# Altium PCB PCB2.PcbDoc (part 2 of 2)
Units mm, origin at the board's own origin, x right, y up, seen from the top; angles counter-clockwise.
Board outline 50.42 x 37.08 mm, 4 copper layers (L1, L2, L3, L4), stack 0.603 mm thick; 104 components, 63 nets, 354 pads, 167 vias.
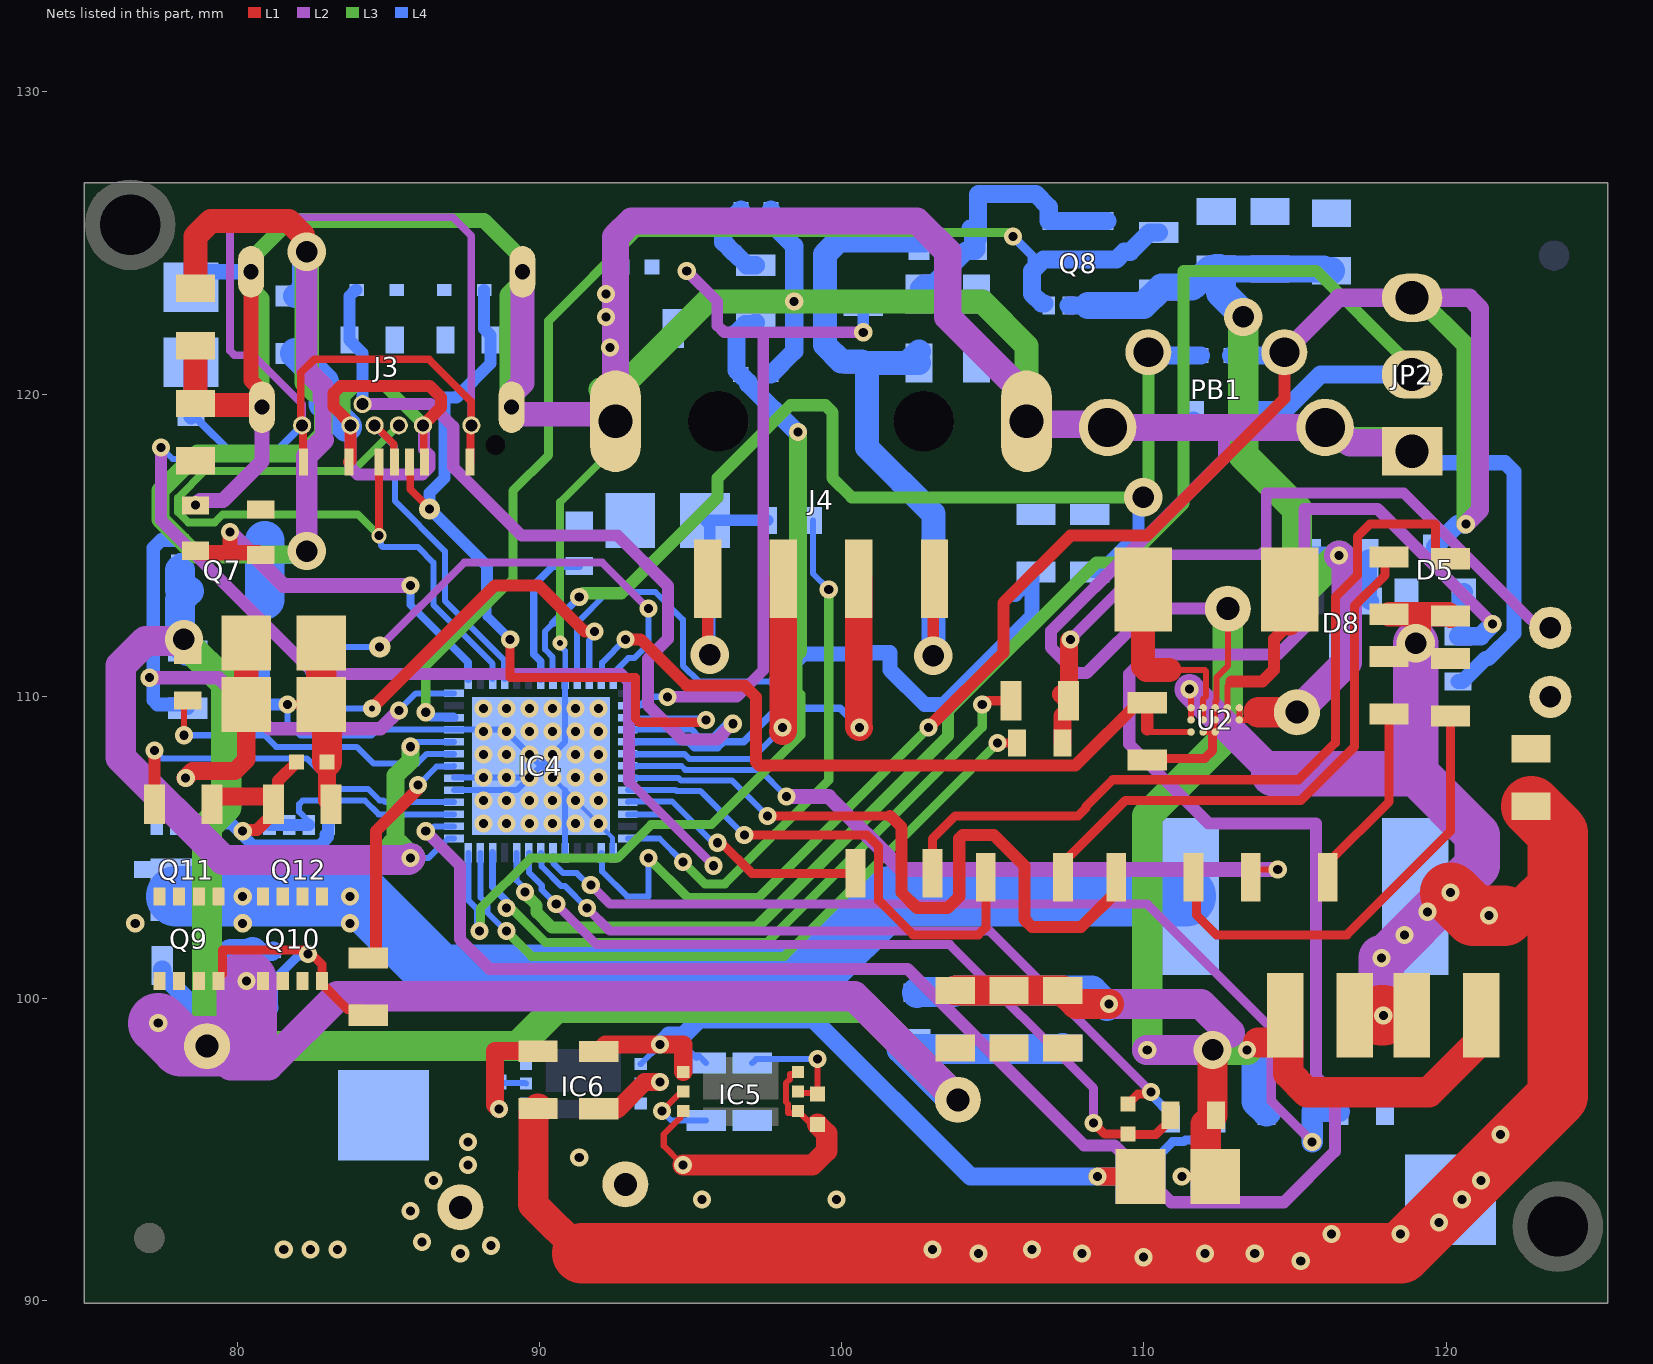
[diagram p4: the nets of this part, all layers, seen from the top]

## Part data (continued)
R70: library part ERJ-6GEYJ154V, "RES SMD 150K OHM 5% 1/8W 0805", Case/Package=0805, Case Code (Metric)=2012, Manufacturer 1=Panasonic, Max Operating Temperature=155°C, Max Power Dissipation=125mW, Min Operating Temperature=-55°C, Package Quantity=5000, Resistance=150kR, Supplier Part Number 1=P150KACT-ND, Temperature Coefficient=200ppm/°C, Tolerance=5%, Voltage Rating=150V, Case Code (Imperial)=0805, ComponentLink1Description=https://datasheet.ciiva.com/3882/41790015s9557575n1386-3882896.pdf?src-supplier=Arrow+Electronics, ComponentLink1URL=https://datasheet.ciiva.com/3882/41790015s9557575n1386-3882896.pdf?src-supplier=Arrow+Electronics, ComponentLink2Description=https://datasheet.ciiva.com/17207/aoa0000ce1-17207480.pdf?src-supplier=Avnet+Europe, ComponentLink2URL=https://datasheet.ciiva.com/17207/aoa0000ce1-17207480.pdf?src-supplier=Avnet+Europe, ComponentLink3Description=https://datasheet.ciiva.com/43460/1500035-43460137.pdf?src-supplier=Farnell, ComponentLink3URL=https://datasheet.ciiva.com/43460/1500035-43460137.pdf?src-supplier=Farnell, ComponentLink4Description=https://datasheet.ciiva.com/46373/1500035-46373995.pdf?src-supplier=Element14, ComponentLink4URL=https://datasheet.ciiva.com/46373/1500035-46373995.pdf?src-supplier=Element14, ComponentLink5Description=https://datasheet.ciiva.com/16781/70255313-16781804.pdf?src-supplier=Allied+Electronics, ComponentLink5URL=https://datasheet.ciiva.com/16781/70255313-16781804.pdf?src-supplier=Allied+Electronics, ComponentLink6Description=https://datasheet.ciiva.com/28691/1678796-28691981.pdf?src-supplier=Element14, ComponentLink6URL=https://datasheet.ciiva.com/28691/1678796-28691981.pdf?src-supplier=Element14, ComponentLink7Description=https://datasheet.ciiva.com/16516/aoa0000ce1-16516415.pdf?src-supplier=Avnet+Asia, ComponentLink7URL=https://datasheet.ciiva.com/16516/aoa0000ce1-16516415.pdf?src-supplier=Avnet+Asia, Composition="Thick Film", Contact Plating=Tin, Depth=1.25mm, Height=0.028inch, Lead Free="Lead Free", Length=2mm, Manufacturer Part Number 1=ERJ-6GEYJ154V, Military Standard=Not, Mount="Surface Mount", Number of Terminations=2, Packaging="Tape and Reel", Power Rating=125mW, Pricing 1="1=0.10000, 10=0.05200, 100=0.02120, 1000=0.00954, 2500=0.00828 (USD)", Radiation Hardening=No, REACH SVHC="No SVHC", RoHS=Yes, Stock 1=100014, Supplier 1=Digi-Key, Termination=SMD/SMT, Voltage Rating (DC)=150V, Width=0.049inch
R72 R73: library part RC0805JR-070RL, "RES SMD 0 OHM JUMPER 1/8W 0805", Case/Package=0805, Case Code (Metric)=2012, Manufacturer 1=Yageo, Max Operating Temperature=155°C, Min Operating Temperature=-55°C, Power Rating=125mW, Resistance=0mR, Supplier Part Number 1=311-0.0ARCT-ND, Temperature Coefficient=200ppm/°C, Tolerance=5%, Voltage Rating=150V, Case Code (Imperial)=0805, ComponentLink1Description=https://datasheet.ciiva.com/7941/1738694-7941861.pdf?src-supplier=Element14, ComponentLink1URL=https://datasheet.ciiva.com/7941/1738694-7941861.pdf?src-supplier=Element14, ComponentLink2Description=https://datasheet.ciiva.com/11819/0900766b8106beab-11819430.pdf?src-supplier=RSComponents, ComponentLink2URL=https://datasheet.ciiva.com/11819/0900766b8106beab-11819430.pdf?src-supplier=RSComponents, ComponentLink3Description=https://datasheet.ciiva.com/7941/1738694-7941862.pdf?src-supplier=Element14, ComponentLink3URL=https://datasheet.ciiva.com/7941/1738694-7941862.pdf?src-supplier=Element14, ComponentLink4Description=https://datasheet.ciiva.com/7941/1738694-7941863.pdf?src-supplier=Element14, ComponentLink4URL=https://datasheet.ciiva.com/7941/1738694-7941863.pdf?src-supplier=Element14, ComponentLink5Description=https://datasheet.ciiva.com/15190/getdatasheetpartid-330685-15190028.pdf?src-supplier=Verical, ComponentLink5URL=https://datasheet.ciiva.com/15190/getdatasheetpartid-330685-15190028.pdf?src-supplier=Verical, Composition="Thick Film", Contact Plating=Tin,Matte, Depth=1.25mm, Height=0.5mm, Lead Free="Lead Free", Length=2mm, Manufacturer Part Number 1=RC0805JR-070RL, Military Standard=Not, Number of Pins=2, Packaging="Tape and Reel", Pricing 1="1=0.10000, 10=0.03900, 25=0.02840, 50=0.02160, 100=0.01590, 250=0.01216, 500=0.00972, 1000=0.00716 (USD)", Radiation Hardening=No, REACH SVHC=Unknown, RoHS=Yes, Stock 1=14217042, Supplier 1=Digi-Key, Termination=SMD/SMT, Voltage Rating (DC)=150V, Width=1.25mm
T1: library part RL0503-5820-97-MS, "Thermistor, High Sensitivity, NTC, Res 10 Kilohms, Tol +/-2%, Radial, Disc, TC 15Sec.", Case/Package=Radial, Manufacturer 1="Amphenol Advanced Sensors", Max Operating Temperature=150°C, Min Operating Temperature=-50°C, Package Quantity=500, Resistance=10kR, Supplier Part Number 1=KC003T-ND, Tolerance=2%, Accuracy=1%, ComponentLink1Description=https://datasheet.ciiva.com/29856/aas-920-574a-thermometrics-ntc-type-ms-032114-web-29856981.pdf?src-supplier=Digi-Key, ComponentLink1URL=https://datasheet.ciiva.com/29856/aas-920-574a-thermometrics-ntc-type-ms-032114-web-29856981.pdf?src-supplier=Digi-Key, ComponentLink2Description=https://datasheet.ciiva.com/46652/70181330-46652421.pdf?src-supplier=Allied+Electronics, ComponentLink2URL=https://datasheet.ciiva.com/46652/70181330-46652421.pdf?src-supplier=Allied+Electronics, ComponentLink3Description=http://datasheet.octopart.com/RL0503-5820-97-MS-Amphenol-Advanced-Sensors-datasheet-32780836.pdf?src-supplier=Newark, ComponentLink3URL=http://datasheet.octopart.com/RL0503-5820-97-MS-Amphenol-Advanced-Sensors-datasheet-32780836.pdf?src-supplier=Newark, ComponentLink4Description=http://datasheet.octopart.com/RL0503-5820-97-MS-Amphenol-Advanced-Sensors-datasheet-11518288.pdf?src-supplier=Allied+Electronics, ComponentLink4URL=http://datasheet.octopart.com/RL0503-5820-97-MS-Amphenol-Advanced-Sensors-datasheet-11518288.pdf?src-supplier=Allied+Electronics, ComponentLink5Description=http://datasheet.octopart.com/RL0503-5820-97-MS-Amphenol-Advanced-Sensors-datasheet-28575.pdf?src-supplier=Farnell, ComponentLink5URL=http://datasheet.octopart.com/RL0503-5820-97-MS-Amphenol-Advanced-Sensors-datasheet-28575.pdf?src-supplier=Farnell, ComponentLink6Description=http://datasheet.octopart.com/RL0503-5820-97-MS-Amphenol-Advanced-Sensors-datasheet-556659.pdf?src-supplier=Future+Electronics, ComponentLink6URL=http://datasheet.octopart.com/RL0503-5820-97-MS-Amphenol-Advanced-Sensors-datasheet-556659.pdf?src-supplier=Future+Electronics, Diameter=2.41mm, Lead Free="Lead Free", Lead Pitch=5.08mm, Length=28.7mm, Manufacturer Part Number 1=RL0503-5820-97-MS, Mount="Free Hanging", Number of Pins=2, Packaging=Bulk, Pricing 1="1=2.02000, 5=1.91400, 10=1.64100, 25=1.31280, 50=1.20340, 100=1.09400, 500=0.95726, 1000=0.84785, 5000=0.79315 (USD)", REACH SVHC="No SVHC", Stock 1=40880, Supplier 1=Digi-Key, Termination=Radial, Width=6.35mm
U2: library part TPS63811YFFR, "Switching mode BUCK/BOOST IC", Manufacturer 1="Texas Instruments", Supplier Part Number 1=296-TPS63811YFFRCT-ND, Manufacturer Part Number 1=TPS63811YFFR, Pricing 1="1=2.73000, 10=2.45100, 25=2.31760, 100=1.90550, 250=1.70980, 500=1.64800, 1000=1.36990 (USD)", RoHS=No, Stock 1=680, Supplier 1=Digi-Key

## Free pads (board coordinates)
  round 1.524 hole 0.762: 3(87.376,93.091) 5(115.062,109.474) 8(78.994,98.425) 9(103.841,96.647) 12(112.776,112.903) 15(92.837,93.853)

## Via types
v1: diameter 0.6, hole 0.3, L1 to L4, tented both sides, 153 vias
v2: diameter 1.27, hole 0.711, L1 to L4, tented both sides, 8 vias
v3: diameter 0.7, hole 0.3, L1 to L4, tented both sides, 2 vias
v4: diameter 0.6, hole 0.2, L1 to L4, tented both sides, 1 vias
v5: diameter 0.5, hole 0.2, L1 to L4, tented both sides, 1 vias
v6: diameter 1.27/1.27/1.27/1.27 (per signal layer), hole 0.711, L1 to L4, tented both sides, 1 vias
v7: diameter 0.5, hole 0.3, L1 to L4, tented both sides, 1 vias

## Nets (pads, with @x,y where several pads share a name; then routed paths per layer and width w, separated by ;. In a path a pad name is that pad's centre, name@x,y a point inside that pad or via, vN(x,y) a via of type N, cw(c..) or ccw(c..) an arc to the next point about the centre after c; other vN are vias at no path point)
2nd_BOOST: C49.2 C50.2 C51.2 pad.5 Q8.S R60.2 R70.2 U2.VOUT | length 32.6
  L1 w0.2: U2.VOUT@113.157,109.62 U2.VOUT@113.157,109.22 113.538,109.22 113.792,109.474 ; pad.5@114.935,109.474 pad.5@115.062,109.474 pad.5@115.094,109.474
  L1 w1: 113.792,109.474 pad.5@114.935,109.474
  L2 w1: pad.5@115.062,109.474 116.713,111.125 116.713,114.41 v1(116.459,114.664)
  L3 w1: v2(113.284,122.555) v2(113.284,122.555) 113.283,117.984 115.062,116.205 115.062,113.267 v1(116.459,114.664)
  L4 w0.6: Q8.S@107.498,122.933 Q8.S@108.148,122.933 Q8.S@108.151,122.936 ; R70.2@115.509,114.554 115.509,114.614 115.559,114.664 v1(116.459,114.664)
  L4 w0.9: Q8.S@108.151,122.936 109.982,122.936 R60.2@110.49,123.444 110.59,123.544 111.594,123.544 112.195,124.145 C49.2@112.395,124.145 ; C49.2@112.495,124.145 C50.2@114.173,124.145 115.944,124.145 116.005,124.084 C51.2@116.205,124.084
  L4 w1: C49.2@112.395,124.145 112.495,124.145 112.545,124.095 112.545,123.367 113.284,122.628 v2(113.284,122.555)
B+: B+?.1 C52.2 C64.2 C65.2 D5.2 D8.3 L8.2 R40.2 R41.2 R42.2 R43.2 R53.2 R56.2 R61.2 U2.VIN | length 81.9
  L1 w0.2: v1(111.506,110.236) 111.557,110.185 U2.VIN@111.557,109.62 U2.VIN@111.557,109.22
  L1 w0.8: R42.2@118.11,112.715 119.095,112.715 ; v6@119.095,111.76 119.095,112.715 ; R43.2@120.142,112.654 120.081,112.715 119.095,112.715 ; 121.92,102.743 123.698,104.521
  L1 w1: R61.2@89.948,96.358 89.798,96.208 89.798,94.208 89.789,94.199 89.789,93.183 91.405,91.567
  L1 w2: 91.405,91.567 102.997,91.567 v1(104.521,91.567) 106.299,91.567 v1(107.95,91.567) 109.982,91.567 v1(112.014,91.567) v1(113.665,91.567) 115.189,91.567 116.205,91.567 118.491,91.567 119.634,92.71 121.031,94.107 122.111,95.186 123.698,96.774 123.698,104.521 123.698,105.476 C52.2@122.809,106.365 ; v1@117.856,99.441 v1(117.919,99.441) ; v1(120.142,103.505) 120.904,102.743 v1(121.412,102.743) 121.92,102.743
  L2 w1: v1(111.506,110.236) 114.3,107.442
  L2 w1.5: 114.3,107.442 118.999,107.442 ; v1(117.919,99.441) 117.856,99.504 v1(117.856,101.346) 117.983,101.346 v1(120.142,103.505) 121.031,104.394 121.031,105.41 118.999,107.442 ; v6(118.999,111.76) 118.999,107.442
  other v1: 115.189,91.313 109.982,91.44 102.997,91.694 106.299,91.694 116.205,92.202 118.491,92.202 119.761,92.583 120.523,93.345 121.158,93.98 121.793,95.504 118.618,102.108 119.38,102.87
B-: B-?.1 C41.1 C46.1 IC5.S1 IC5.TST IC5.VSS IC6.S1 IC6.TST IC6.VSS pad.3 pad.15 | length 10.8
  L1 w0.2: v1@94.688,94.542 94.108,95.122 94.108,95.503 94.655,96.049 94.655,96.174 IC5.TST@94.755,96.274 ; IC5.S1@98.555,97.574 98.479,97.498 98.28,97.498 98.28,97.324 98.272,97.324 98.155,97.206 98.155,96.575 98.222,96.508 98.222,96.218 98.499,96.218 IC5.VSS@98.555,96.274 98.937,95.891
  L1 w0.7: v1(94.742,94.488) 99.036,94.488 99.5,94.952 99.5,95.532 C41.1@99.195,95.837
  other v1: 87.376,91.567 81.534,91.694 82.423,91.694 83.312,91.694 88.392,91.821 86.106,91.948 85.725,92.964 95.377,93.345 99.822,93.345 86.487,93.98 87.63,94.488 91.313,94.742 87.63,95.25
BOOST_EN: IC4.12 R69.2 U2.EN | length 25.2
  L1 w0.2: 110.109,108.905 110.194,108.82 U2.EN@111.557,108.82
  L1 w0.4: v1(92.837,111.887) 93.345,111.887 94.869,110.363 96.774,110.363 97.155,109.982 97.155,107.823 97.27,107.708 107.727,107.708 107.777,107.758 ; 107.778,107.758 109.894,109.874 110.024,109.874 R69.2@110.109,109.789 110.109,108.905
  L4 w0.2: IC4.12@92.043,110.571 92.068,110.596 92.068,111.118 v1(92.837,111.887)
CC1A: C39.1 D6.1 IC4.16 J3.A5 | length 27.5
  L1 w0.254: J3.A5@85.691,117.759 85.714,117.736 85.714,116.851 v3(86.36,116.205)
  L1 w0.3: v1(89.027,111.887) 89.027,110.617 93.169,110.617 93.169,109.269 93.296,109.142 95.504,109.142 v1(95.504,109.22)
  L4 w0.2: IC4.16@92.918,109.296 92.943,109.271 95.453,109.271 v1(95.504,109.22)
  L4 w0.3: 88.265,113.411 88.265,112.649 v1(89.027,111.887)
  L4 w0.4: D6.1@88.163,123.444 88.163,122.16 88.38,121.943 C39.1@88.38,121.793 88.38,121.019 87.249,119.888 86.846,119.888 86.846,117.221 86.36,116.735 v3(86.36,116.205) 88.265,114.3 88.265,113.411
CC2A: C42.2 D7.1 IC4.17 J3.B5 | length 28.9
  L2 w0.4: J3.B5@84.141,119.669 86.395,119.669 87.141,118.923 87.141,117.583 89.408,115.316 92.583,115.316 94.249,113.65 94.249,111.902 93.584,111.237 93.584,109.713 94.727,108.57 95.87,108.57 v1(96.393,109.093)
  L4 w0.2: IC4.17@92.918,108.896 95.05,108.896 95.276,108.67 95.732,108.67 96.155,109.093 v1(96.393,109.093)
  L4 w0.4: D7.1@83.947,123.444 83.907,123.444 83.705,123.242 C42.2@83.705,121.793 84.141,121.357 J3.B5@84.141,119.669
DN_C: IC4.3 J3.A7 J3.B7 | length 25.4
  L1 w0.254: v7(84.687,115.316) 84.687,117.755 J3.A7@84.691,117.759
  L3 w0.254: v7(84.687,115.316) 83.983,116.02 79.517,116.02 79.252,115.755 78.374,115.755 78.036,116.093 78.036,116.571 78.924,117.459 83.831,117.459 J3.B7@85.341,118.969
  L4 w0.2: v7(84.687,115.316) 84.745,115.259 84.745,114.995 84.804,114.935 85.979,114.935 86.487,114.427 86.487,113.03 88.443,111.074 IC4.3@88.443,110.571
DP_C: IC4.4 J3.A6 J3.B6 | length 11.7
  L1 w0.254: J3.B6@84.541,118.969 85.168,118.342 85.168,117.782 J3.A6@85.191,117.759
  L4 w0.2: J3.B6@84.541,118.969 84.541,118.913 85.217,118.237 85.217,116.459 86.868,114.808 86.868,113.157 88.829,111.196 88.829,110.585 IC4.4@88.843,110.571
DVDD: C35.1 D5.3 IC4.28 JP2.3 PB1.1 | length 60.9
  L1 w0.4: v1(102.87,108.966) 105.346,111.442 105.346,113.093 107.569,115.316 110.109,115.316 114.645,119.852 PB1.1@114.645,121.387
  L2 w0.6: PB1.1@114.645,121.387 116.448,123.19 JP2.3@118.872,123.19 120.772,123.19 121.123,122.839 121.123,116.17 v1(120.65,115.697)
  L3 w0.3: v1(93.599,104.648) 94.903,103.344 97.248,103.344 v1(102.87,108.966)
  L3 w0.6: JP2.3@118.872,123.19 119.072,123.19 120.65,121.612 v1(120.65,115.697)
  L4 w0.2: IC4.28@92.043,104.821 92.068,104.796 92.068,104.205 92.895,103.378 93.599,103.378 v1(93.599,104.648)
  L4 w0.6: C35.1@112.887,121.285 114.543,121.285 PB1.1@114.645,121.387 ; D5.3@119.634,114.898 119.634,114.948 120.383,115.697 v1(120.65,115.697)
GATE1: IC4.52 Q7.G R50.1 | length 18.6
  L2 w0.45: v1(77.089,110.617) 79.375,110.617 81.066,108.926 84.735,108.926 v1(85.344,109.535)
  L4 w0.2: v1(85.344,109.535) 85.905,110.096 IC4.52@87.168,110.096
  L4 w0.45: Q7.G@78.102,115.148 78.077,115.173 77.48,115.173 77.216,114.909 77.216,109.87 77.355,109.731 78.234,109.731 R50.1@78.359,109.606
GATE3: IC4.50 Q8.G R60.1 | length 39.7
  L3 w0.3: v1(86.233,109.474) 86.233,110.998 89.116,113.881 89.116,116.802 90.297,117.983 90.297,122.428 93.218,125.349 105.537,125.349 v1(105.664,125.222)
  L4 w0.3: v1(86.233,109.474) 86.393,109.314 87.15,109.314 IC4.50@87.168,109.296 ; v1(105.664,125.222) 106.299,124.587 106.299,124.079
  L4 w0.6: Q8.G@106.7,122.998 106.618,122.998 106.299,123.317 106.299,124.079 106.68,124.46 109.093,124.46 109.347,124.714 109.56,124.714 110.19,125.344 R60.1@110.49,125.344
GND: C34.1 C36.1 C37.1 C38.1 C39.2 C40.1 C42.1 C43.1 C44.1 C45.1 C48.1 C49.1 C50.1 C51.1 C52.1 C53.1 C54.1 C55.1 C57.1 C58.1 C59.1 C60.1 C61.1 C62.1 C64.1 C65.1 C66.1 D6.2 D7.2 IC4.9 IC4.27 IC4.31 IC4.44 IC4.45 IC4.49 IC4.53 J3.S1 J3.S2 J3.S3 J3.S4 J4.S1 J4.S2 JP2.1 pad.12 PB1.3 PB1.4 R39.2 R44.2 R45.2 R46.1 R47.1 R52.2 R58.2 R63.1 R64.1 R66.2 R67.1 R69.1 R74.1 R75.1 R76.1 T1.1 U2.AGND U2.GND U2.VSEL | length 244.9
  L1 w0.2: R69.1@110.109,107.889 R69.1@110.17,107.95 ; U2.VSEL@111.957,108.82 112.268,108.82 U2.AGND@112.357,108.82 U2.GND@112.357,109.22 U2.GND@112.357,109.62 112.367,109.63 112.367,109.824 112.406,109.863 112.406,110.629 112.776,110.999 pad.12@112.776,112.903
  L1 w0.3: v1(81.661,109.728) R76.1@82.774,109.728 ; R69.1@110.17,107.95 112.014,107.95 112.268,108.204 U2.AGND@112.268,108.82 ; v1(111.252,94.107) R64.1@112.365,94.107
  L1 w0.5: J3.S4@80.451,124.049 80.451,120.449 80.811,120.089 80.811,119.622 J3.S2@80.811,119.569
  L1 w0.6: C66.1@82.961,107.823 82.961,106.561 R74.1@83.096,106.426
  L1 w0.8: C37.1@78.613,121.605 C38.1@78.613,119.695 78.663,119.645 80.788,119.645 J3.S2@80.811,119.622
  L1 w1: R76.1@82.774,109.95 R75.1@82.774,111.76 ; C66.1@82.961,107.823 R76.1@82.961,109.763 ; C60.1@103.759,100.264 C61.1@105.537,100.264 C62.1@107.315,100.264 107.757,99.822 v1(108.839,99.822) ; 112.045,95.842 112.045,94.427 R64.1@112.365,94.107 ; R66.2@112.268,96.139 v2(112.268,98.298) ; 113.774,98.541 114.574,98.541 C65.1@114.674,98.641 ; C65.1@114.774,98.541 114.774,97.521 115.394,96.901 119.425,96.901 121.165,98.641 C64.1@121.165,99.441
  L2 w0.4: 112.649,118.897 112.649,117.86 109.797,115.008 109.771,115.008 106.919,112.156 106.919,111.618 107.769,110.768 108.101,110.768 110.236,112.903 pad.12@112.776,112.903
  L2 w0.5: v1(78.613,116.332) 78.76,116.479 79.522,116.479 80.811,117.768 J3.S2@80.811,119.569
  L2 w0.8: J3.S1@89.071,119.569 89.071,120.008 89.431,120.368 J3.S3@89.431,124.049 ; J3.S1@89.094,119.337 J4.S1@92.198,119.337
  L2 w0.9: J4.S1@92.514,119.105 92.514,125.203 93.041,125.73 102.489,125.73 103.505,124.714 103.505,122.554 106.114,119.945 J4.S2@106.114,119.105 106.218,119.001 108.691,119.001 PB1.3@108.795,118.897 112.649,118.897 PB1.4@115.995,118.897 116.32,118.897 116.822,118.395 118.587,118.395 JP2.1@118.872,118.11
  L2 w1: v1(108.839,99.822) 111.887,99.822 112.84,98.87 ; v1(110.109,98.298) v2(112.268,98.298)
  L3 w0.254: v5(90.678,111.76) 90.678,116.429 92.514,118.265 J4.S1@92.514,119.105
  L3 w0.5: J3.S2@80.811,119.569 80.811,123.169 80.451,123.529 J3.S4@80.451,124.049 80.451,124.474 81.726,125.749 88.156,125.749 89.431,124.474 J3.S3@89.431,124.049
  L3 w0.8: J3.S1@89.094,119.337 89.071,119.36 J3.S1@89.071,119.569 89.071,123.25 89.431,123.61 J3.S3@89.431,124.049 ; J4.S1@92.015,120.152 J4.S1@92.514,119.653 ; J4.S1@92.198,119.337 J4.S1@92.514,119.653 ; J4.S2@106.114,119.105 106.114,121.597 104.648,123.063 v1(98.425,123.063) 95.529,123.063 92.514,120.048 J4.S1@92.514,119.653
  L3 w0.9: PB1.4@115.995,118.897 116.266,118.897 116.703,118.46 118.522,118.46 JP2.1@118.872,118.11
  L3 w1: v1(110.109,98.298) 110.109,106.045 112.776,108.712 pad.12@112.776,112.903 ; v2(112.268,98.298) v1(113.411,98.298)
  L4 w0.15: IC4.53@90.043,107.696 v1(90.424,107.315) 90.843,106.896 v1(91.186,106.553) v1(91.948,105.791) 92.413,105.326 IC4.27@92.413,104.821
  L4 w0.18: v5(90.678,111.76) 90.678,111.673 90.843,111.508 IC4.9@90.843,110.571
  L4 w0.2: v1(81.661,109.728) 81.664,109.725 81.664,109.128 82.091,108.701 84.432,108.701 84.627,108.896 IC4.49@87.168,108.896 88.843,108.896 v1(88.9,108.839) v1(89.662,108.077) IC4.53@90.043,107.696 ; IC4.44@87.168,106.896 89.243,106.896 v1(89.662,107.315) ; IC4.45@87.168,107.315 v1(88.138,107.315) v1(88.9,107.315) v1(89.662,107.315) ; IC4.31@90.843,104.821 IC4.53@90.843,106.896 ; IC4.9@90.843,110.571 90.843,108.496 v1(90.424,108.077) IC4.53@90.043,107.696 ; v1(89.662,107.315) IC4.53@90.043,107.696
  L4 w0.4: R46.1@80.645,109.601 80.678,109.634 80.772,109.728 v1(81.661,109.728)
  L4 w0.5: R52.2@78.464,123.541 78.972,124.049 J3.S4@80.451,124.049 ; JP2.1@118.872,118.11 119.253,117.729 121.946,117.729 122.239,117.436 122.239,112.081 121.405,111.247 121.303,111.247 120.546,110.49 C40.1@120.396,110.49
  L4 w0.6: C53.1@97.655,120.65 98.425,121.42 v1(98.425,123.063) 98.425,124.904 97.663,125.666 C54.1@97.663,126.111 ; PB1.3@108.795,118.897 108.909,119.011 111.583,119.011 111.633,119.062 R39.2@111.633,119.126
  L4 w0.8: R46.1@80.678,109.634 80.678,111.346 R47.1@80.711,111.379
  L4 w1: C55.1@102.489,100.191 102.512,100.214 103.709,100.214 C59.1@103.759,100.264 C58.1@105.537,100.264 C57.1@107.315,100.264 108.27,100.264 v1@108.775,99.758 ; v1(113.411,98.298) 113.665,98.298 113.734,98.229 113.734,96.59 C43.1@114.058,96.266
  other v1: 88.138,105.791 88.9,105.791 89.662,105.791 90.424,105.791 91.186,105.791 88.138,106.553 88.9,106.553 89.662,106.553 90.424,106.553 91.948,106.553 91.186,107.315 91.948,107.315 88.138,108.077 88.9,108.077 91.186,108.077 91.948,108.077 88.138,108.839 89.662,108.839 90.424,108.839 91.186,108.839 91.948,108.839 88.138,109.601 88.9,109.601 89.662,109.601 90.424,109.601 91.186,109.601 91.948,109.601 92.329,121.539 92.202,122.555 92.202,123.317
GND_C: J3.A1 J3.A12 J3.B1 J3.B12 R49.1 R52.1 | length 40.5
  L1 w0.254: J3.A12@82.191,117.759 82.168,117.782 82.168,118.942 J3.B1@82.141,118.969 82.1,119.01 82.1,120.708 82.55,121.158 86.338,121.158 87.741,119.755 J3.B12@87.741,118.969 87.714,118.942 87.714,117.782 J3.A1@87.691,117.759
  L2 w0.254: J3.B1@82.141,118.969 82.141,119.662 80.518,121.285 79.905,121.285 79.756,121.434 79.756,125.603 80.01,125.857 87.122,125.857 87.741,125.238 J3.B12@87.741,118.969
  L4 w0.254: R49.1@78.464,119.241 78.614,119.241 79.872,117.983 81.155,117.983 J3.B1@82.141,118.969
  L4 w0.5: R49.1@78.464,119.241 R52.1@78.464,121.061 R52.1@78.482,121.043
HDRV: IC4.46 R72.1 | length 7.9
  L1 w0.4: R72.1@84.328,101.346 84.582,101.6 84.582,105.537 85.979,106.934 v1(85.979,107.061)
  L4 w0.2: v1(85.979,107.061) 86.589,107.671 87.143,107.671 IC4.46@87.168,107.696
ISEN: IC4.42 Q11.S Q12.S R75.2 R76.2 | length 13.6
  L1 w0.6: v1(78.288,107.297) 78.518,107.526 79.913,107.526 80.294,107.907 R76.2@80.294,109.728
  L1 w0.8: R76.2@80.294,109.728 R75.2@80.294,111.76
  L4 w0.2: Q12.S@82.363,105.737 82.363,105.857 82.042,106.178 82.042,106.436 82.159,106.553 84.214,106.553 84.671,106.096 IC4.42@87.168,106.096
  L4 w0.4: Q12.S@81.063,105.737 Q12.S@81.713,105.737 Q12.S@82.363,105.737
LDRV: IC4.43 R73.1 | length 12.4
  L1 w0.4: R73.1@77.254,106.426 v1(77.254,108.204)
  L4 w0.2: v1(77.254,108.204) 77.508,107.95 82.296,107.95 83.312,106.934 84.328,106.934 84.709,106.553 84.836,106.553 84.893,106.496 IC4.43@87.168,106.496
NetC34_2: C34.2 IC4.7 | length 5
  L4 w0.25: IC4.7@90.043,110.571 90.043,111.158 89.803,111.398 89.803,113.679 90.436,114.312 C34.2@91.313,114.312
NetC35_2: C35.2 IC4.8 PB1.2 R45.1 | length 37.5
  L3 w0.4: v1(91.313,113.284) 91.44,113.411 92.71,113.411 95.885,116.586 95.885,117.221 98.298,119.634 99.461,119.634 99.695,119.4 99.695,117.221 100.33,116.586 v2(109.982,116.586) 110.145,116.749 PB1.2@110.145,121.387
  L4 w0.2: IC4.8@90.443,110.571 90.432,110.582 90.432,111.299 90.178,111.553 90.178,112.149 90.443,112.414
  L4 w0.25: 90.443,112.414 v1(91.313,113.284)
  L4 w0.4: R45.1@108.204,114.112 108.504,114.112 109.816,115.424 109.816,116.42 v2(109.982,116.586)
  L4 w0.6: PB1.2@110.145,121.387 110.247,121.285 C35.2@111.887,121.285
NetC37_2: C37.2 L5.2 Q7.D | length 40.2
  L1 w0.8: C37.2@78.613,123.505 78.613,125.222 79.121,125.73 81.7,125.73 v2@82.169,125.261
  L2 w0.55: 82.841,118.491 82.841,119.851
  L2 w0.7: v2(82.296,114.808) 82.296,117.946 82.841,118.491 ; v2(82.296,124.714) 82.296,120.775 82.841,120.23 82.841,119.851
  L3 w0.6: v2(82.296,114.808) 82.181,114.693 78.62,114.693 77.459,115.854 77.459,116.81 78.685,118.036 82.198,118.036 82.841,118.679 82.841,119.851 82.55,120.142
  L3 w0.8: v2(82.296,124.714) 82.296,120.396 82.55,120.142
  L4 w0.6: 80.69,113.41 Q7.D@80.902,113.198 ; Q7.D@81.09,114.31 81.459,114.68 82.168,114.68 v2(82.296,114.808)
  L4 w0.8: L5.2@81.915,123.251 82.115,123.251 82.165,123.301 82.165,123.501 82.206,123.542 82.206,124.624 v2(82.296,124.714)
  L4 w1.3: Q7.D@80.902,113.198 Q7.D@80.902,113.848 Q7.D@80.902,114.498 Q7.D@80.902,115.148
NetC40_2: C40.2 D5.1 IC4.41 | length 80
  L2 w0.4: v1(86.233,105.537) 87.361,104.409 87.361,101.966 88.343,100.984 102.171,100.984 108.02,95.135 109.022,95.135 110.9,93.257 114.632,93.257 116.317,94.942 116.317,96.789 115.697,97.409 115.697,105.791 112.141,105.791 109.513,108.419 109.513,110.744 110.148,111.379 114.427,111.379 115.316,112.268 115.316,116.205 117.729,116.205 v1(121.539,112.395)
  L4 w0.2: v1(86.233,105.537) 86.341,105.537 86.5,105.696 IC4.41@87.168,105.696
  L4 w0.6: C40.2@120.396,111.99 C40.2@120.49,111.99 ; D5.1@120.584,113.448 120.49,113.354 C40.2@120.49,111.99 ; v1(121.539,112.395) 121.158,112.014 121.158,111.99 C40.2@120.49,111.99
NetC41_2: C41.2 IC5.VCC R53.1 | length 4
  L1 w0.2: IC5.VCC@98.555,96.924 98.598,96.88 99.151,96.88 C41.2@99.195,96.837 v1(99.195,97.996)
  L4 w0.2: R53.1@97.036,97.864 97.168,97.996 v1(99.195,97.996)
NetC43_2: C43.2 IC4.32 R56.1 | length 32.5
  L2 w0.3: v1(91.694,103.759) 92.329,103.124 110.109,103.124 114.211,99.022 114.211,96.609 v1(115.567,95.253)
  L4 w0.2: IC4.32@90.443,104.717 90.468,104.692 90.468,104.463 90.782,104.149 91.236,104.149 91.626,103.759 v1(91.694,103.759)
  L4 w0.7: v1@115.57,95.25 v1(115.567,95.253) 115.567,96.257 C43.2@115.558,96.266 R56.1@116.471,96.266
NetC45_2: C45.2 L6.2 Q8.D | length 9.8
  L4 w0.6: C45.2@102.555,123.317 102.555,123.517 102.705,123.667 103.027,123.667 104.105,124.745 104.405,124.745 104.455,124.795 L6.2@104.455,125.095 104.505,125.145 104.505,126.603 104.521,126.619 106.426,126.619 106.848,126.197 Q8.D@106.848,125.733 Q8.D@107.498,125.733 Q8.D@108.148,125.733 Q8.D@108.798,125.733 ; L6.2@104.267,125.476 104.348,125.395 L6.2@104.348,125.095
NetC46_2: C46.2 IC6.VCC R61.1 | length 5.2
  L1 w0.6: v1(88.654,96.345) 88.519,96.48 88.519,98.258 R61.1@89.948,98.258
  L4 w0.2: v1(88.654,96.345) C46.2@88.654,97.228 ; C46.2@88.654,97.234 C46.2@88.654,97.228 ; IC6.VCC@89.548,97.183 89.522,97.208 88.673,97.208 C46.2@88.654,97.228
NetC47_1: C47.1 IC4.34 R66.1 | length 26.6
  L1 w0.3: v1(108.331,95.885) 108.704,95.512 C47.1@109.474,95.512 109.482,95.504 110.398,95.504 110.883,95.989 R66.1@110.883,96.139
  L2 w0.3: v1(90.551,103.124) 91.89,101.785 103.574,101.785 108.331,97.028 v1(108.331,95.885)
  L4 w0.2: IC4.34@89.643,104.821 89.643,104.175 90.071,103.747 90.071,103.604 v1(90.551,103.124)
NetC47_2: C47.2 IC4.33 R62.1 | length 25.8
  L1 w0.3: C47.2@109.474,96.512 109.806,96.844 110.179,96.844 v1(110.236,96.901)
  L2 w0.3: v1(91.567,102.997) 92.329,102.235 104.902,102.235 v1(110.236,96.901)
  L4 w0.2: IC4.33@90.043,104.821 90.068,104.796 90.068,104.368 90.715,103.721 90.843,103.721 v1(91.567,102.997)
  L4 w0.3: v1(110.236,96.901) 110.236,96.821 110.895,96.162 R62.1@110.895,96.012
NetC48_2: C48.2 IC4.15 R65.1 R67.2 | length 24.2
  L2 w0.381: v1(94.234,109.982) 96.52,109.982 97.409,110.871 97.409,122.047 ; v1(94.869,124.079) 95.885,123.063 95.885,122.27 96.108,122.047 97.409,122.047 ; v1(100.711,122.047) 97.409,122.047
  L4 w0.21: IC4.15@92.918,109.696 93.329,109.696 93.615,109.982 v1(94.234,109.982)
  L4 w0.381: v1(100.711,122.047) R65.1@100.711,122.936
NetC53_2: C53.2 IC4.39 R68.1 | length 31.5
  L3 w0.3: v1(88.011,102.235) 88.039,102.263 88.039,102.985 89.702,104.648 92.583,104.648 93.691,105.756 95.683,105.756 98.644,108.717 98.644,110.066 98.552,110.158 98.552,111.506
  L3 w0.6: 98.552,111.506 v1(98.552,118.745)
  L4 w0.2: IC4.39@87.643,104.821 87.643,103.254 87.926,102.971 87.926,102.32 v1(88.011,102.235)
  L4 w0.6: R68.1@97.155,122.367 97.105,122.317 96.805,122.317 96.52,122.032 96.52,120.785 C53.2@96.655,120.65 96.905,120.4 96.905,120.334 98.494,118.745 v1(98.552,118.745)
NetC54_2: C54.2 R68.2 | length 2.7
  L4 w0.6: C54.2@96.663,126.111 96.078,125.526 96.078,125.029 96.429,124.678 96.444,124.678 96.855,124.267 R68.2@97.155,124.267
NetC56_1: C56.1 IC4.47 | length 10.7
  L1 w0.2: v1(78.232,108.712) 78.232,109.74 C56.1@78.359,109.867
  L4 w0.2: v1(78.232,108.712) 80.899,108.712 81.28,108.331 83.947,108.331 84.497,107.781 85.953,107.781 86.268,108.096 IC4.47@87.168,108.096
NetC63_1: C63.1 Q9.G Q10.G R71.2 R72.2 | length 13.8
  L1 w0.3: Q9.G@79.372,100.581 79.372,100.681 79.502,100.811 79.502,101.6 v1@82.323,101.6 ; v1@82.392,101.531 82.801,101.122 Q10.G@82.801,100.581 82.801,100.481 83.636,99.646 84.128,99.646 R72.2@84.328,99.446
  L4 w0.3: R71.2@77.513,100.96 R71.2@77.513,101.092 ; 81.064,99.695 81.191,99.822 C63.1@81.191,100.592 82.015,101.416 82.277,101.416 v1(82.334,101.473)
  L4 w0.6: R71.2@77.513,100.96 77.513,100.792 78.61,99.695 81.064,99.695
NetC66_2: C66.2 Q11.G Q12.G R73.2 R74.2 | length 10.4
  L1 w0.4: v1(80.175,105.537) 80.213,105.575 80.645,105.575 81.196,106.126 81.196,106.68 81.346,106.576 81.346,107.208 C66.2@81.961,107.823
  L1 w0.6: R73.2@79.154,106.68 R74.2@81.196,106.68
  L4 w0.4: Q11.G@79.277,105.737 79.277,105.617 79.451,105.791 79.794,105.791 80.528,105.057 82.718,105.057 82.923,105.262 82.923,105.422 83.003,105.342 83.003,105.727 Q12.G@83.013,105.737
NetD8_2: D8.2 R70.1 | length 1.4
  L4 w0.6: R70.1@117.409,114.554 117.409,113.223 D8.2@117.475,113.157
NetIC4_10: IC4.10 R44.1 | length 24.2
  L4 w0.2: IC4.10@91.243,110.571 91.243,112.436 92.26,113.453 93.827,113.453 94.742,112.538 94.742,111.016 95.264,110.494 97.809,110.494
  L4 w0.5: 97.809,110.494 98.714,111.399 100.711,111.399 100.755,111.442 101.6,111.442 101.6,110.871 102.743,109.728 103.378,109.728 106.299,112.649 106.299,113.939 105.739,113.379 105.693,113.379
NetIC4_11: IC4.11 R46.2 | length 13.2
  L1 w0.4: v4(84.455,109.601) 88.519,113.665 89.974,113.665 91.498,112.141 v1(91.821,112.141)
  L4 w0.2: R46.2@82.545,109.601 v4(84.455,109.601) ; IC4.11@91.643,110.571 91.643,111.855 91.821,112.033 v1(91.821,112.141)
NetIC4_13: IC4.13 R47.2 | length 15.8
  L2 w0.254: v3(84.709,111.633) 87.503,114.427 92.075,114.427 v1(93.599,112.903)
  L4 w0.2: R47.2@82.611,111.379 82.611,111.383 82.861,111.633 v3(84.709,111.633) ; IC4.13@92.443,110.571 92.443,110.771 92.933,111.261 93.133,111.261 93.599,111.727 v1(93.599,112.903)
NetIC4_18: IC4.18 J4.2 | length 13.5
  L1 w0.9: J4.2@100.564,113.885 100.564,108.986 v1(100.584,108.966)
  L4 w0.25: IC4.18@92.918,108.496 94.92,108.496 95.121,108.295 95.887,108.295 96.088,108.496 96.761,108.496 97.866,109.601 99.949,109.601 v1(100.584,108.966)
NetIC4_19: IC4.19 J4.3 | length 10.7
  L1 w0.9: v1@98.044,108.839 98.064,108.859 J4.3@98.064,113.885
  L4 w0.2: IC4.19@92.918,108.096 92.931,108.083 94.803,108.083 94.966,107.92 96.998,107.92 v1(98.044,108.966)
NetIC4_20: IC4.20 LED5.1 | length 23.9
  L1 w0.2: LED5.1@113.533,104.013 113.533,104.042 113.758,104.267 v1(114.427,104.267)
  L2 w0.5: v1(98.171,106.68) 99.568,106.68 101.981,104.267 v1(114.427,104.267)
  L4 w0.2: IC4.20@92.918,107.696 94.695,107.696 94.821,107.57 97.281,107.57 v1(98.171,106.68)
NetIC4_21: IC4.21 LED6.1 | length 24.6
  L1 w0.3: v1(97.536,106.045) 101.6,106.045
  L1 w0.4: 101.6,106.045 101.981,105.664 101.981,103.505 102.489,102.997 103.505,102.997 103.886,103.378 103.886,105.293 104.003,105.41 105.029,105.41 106.045,104.394 106.045,102.616 106.299,102.362 107.912,102.362 109.088,103.538 LED6.1@109.088,104.013
  L4 w0.2: IC4.21@92.918,107.296 94.6,107.296 94.676,107.22 96.361,107.22 v1(97.536,106.045)
NetIC4_22: IC4.22 LED7.1 | length 16.6
  L1 w0.3: v1(96.774,105.41) 100.838,105.41 101.219,105.029 101.219,103.251 102.362,102.108 104.521,102.108 104.77,102.357 LED7.1@104.77,104.013
  L4 w0.2: IC4.22@92.918,106.896 94.505,106.896 94.531,106.87 95.314,106.87 v1(96.774,105.41)
NetIC4_23: IC4.23 LED8.1 | length 8.5
  L1 w0.3: v1(95.885,105.156) 96.012,105.156 97.028,104.14 LED8.1@100.452,104.14
  L4 w0.2: IC4.23@92.918,106.496 92.943,106.521 94.385,106.521 95.75,105.156 v1(95.885,105.156)
NetIC4_24: IC4.24 R49.2 | length 32.1
  L2 w0.3: 92.964,107.188 v1(95.758,104.394)
  L2 w0.4: v1(77.47,118.237) 77.47,115.824 82.55,110.744 92.688,110.744 92.964,110.468 92.964,107.188
  L4 w0.2: v1(77.47,118.237) 77.851,117.856 78.349,117.856 R49.2@78.464,117.741 ; IC4.24@92.918,106.096 94.056,106.096 v1(95.758,104.394)
NetIC4_26: IC4.26 R57.2 | length 17.5
  L3 w0.3: v1(94.742,104.521) 95.469,103.794 96.134,103.794 99.568,107.228 v1(99.568,113.538)
  L4 w0.2: IC4.26@92.918,105.296 93.967,105.296 v1(94.742,104.521) ; R57.2@99.048,115.824 99.048,114.058 v1(99.568,113.538)
NetIC4_35: IC4.35 JP2.2 R39.1 | length 53.1
  L3 w0.4: v1(89.516,103.524) 89.516,103.47 89.901,103.085 89.901,102.855 90.409,102.347 97.17,102.347 103.52,108.697 103.52,109.519 108.428,114.427 109.357,114.427 111.307,116.377 111.307,124.079 115.697,124.079 118.681,121.095 118.681,120.841 JP2.2@118.872,120.65
  L4 w0.2: IC4.35@89.243,104.821 89.243,103.905 89.516,103.632 v1(89.516,103.524)
  L4 w0.6: R39.1@113.533,119.126 113.533,119.426 113.583,119.476 114.665,119.476 115.839,120.65 JP2.2@118.872,120.65
NetIC4_37: IC4.37 R54.1 | length 23
  L1 w0.3: v1(104.648,109.728) 104.775,109.855 R54.1@105.603,109.855
  L3 w0.3: v1(88.9,102.997) 89.052,102.997 90.202,101.847 97.519,101.847 104.648,108.976 v1(104.648,109.728)
  L4 w0.24: IC4.37@88.443,104.821 88.443,103.703 88.9,103.246 v1(88.9,102.997)
NetIC4_38: IC4.38 R55.1 | length 23.1
  L1 w0.3: v1(105.156,108.458) R55.1@105.803,108.458
  L3 w0.3: v1(88.9,102.235) 89.738,101.397 98.095,101.397 v1(105.156,108.458)
  L4 w0.2: IC4.38@88.043,104.821 88.043,103.349 88.276,103.116 88.276,102.843 88.884,102.235 v1(88.9,102.235)
NetIC5_CS: IC5.CS R51.1 | length 2.6
  L1 w0.2: v1(94.046,96.277) 94.658,96.888 94.719,96.888 IC5.CS@94.755,96.924
  L4 w0.2: v1(94.046,96.277) 94.359,95.964 R51.1@95.512,95.964
NetIC5_S2: IC5.S2 IC6.S2 R51.2 R59.2 R62.2 R63.2 R64.2 | length 29.8
  L1 w0.6: R59.2@91.956,98.25 92.178,98.473 v1(93.988,98.473) 94.755,98.473 IC5.S2@94.755,97.574 ; v1(108.458,94.107) R64.2@109.885,94.107
  L4 w0.2: IC6.S2@93.348,97.833 v1(93.988,98.473) 94.75,98.473 95.185,98.038 95.262,98.114 R51.2@95.512,97.864
  L4 w0.3: R63.2@109.885,94.107 109.885,94.197 110.95,95.262 111.319,95.262 111.374,95.317 111.85,95.317 112.395,95.862 R62.2@112.395,96.012
  L4 w0.6: v1(93.988,98.473) 94.283,98.768 94.75,98.768 95.296,99.314 99.05,99.314 104.257,94.107 v1(108.458,94.107) R63.2@109.885,94.107
NetIC6_CS: IC6.CS R59.1 | length 3.1
  L1 w0.6: R59.1@91.956,96.35 92.596,96.35 93.48,97.234 v1(93.988,97.234)
  L4 w0.2: IC6.CS@93.348,97.183 93.373,97.208 93.962,97.208 v1(93.988,97.234)
NetJ4_4: J4.4 R57.1 R58.1 | length 9
  L1 w0.381: J4.4@95.564,113.885 95.564,111.446 v2(95.631,111.379)
  L4 w0.381: R58.1@95.474,115.824 95.631,115.667 v2(95.631,111.379) ; R58.1@95.631,115.824 R57.1@97.548,115.824
NetL7_1: L7.1 U2.LX1 | length 6.4
  L1 w0.2: 109.97,110.988 110.087,110.871 ; 110.836,110.871 112.014,110.871 112.056,110.829 112.056,110.008 111.947,109.9 111.947,109.63 U2.LX1@111.957,109.62 U2.LX1@111.957,109.22
  L1 w0.8: 109.97,110.988 L7.1@109.97,113.538 ; 110.087,110.871 110.836,110.871
NetL7_2: L7.2 U2.LX2 | length 5.8
  L1 w0.2: U2.LX2@112.757,109.22 U2.LX2@112.757,109.62 112.757,110.344 112.903,110.49
  L1 w0.4: 112.903,110.49 113.919,110.49 114.305,110.876 114.305,111.892 L7.2@114.821,112.408
  L1 w0.8: L7.2@114.821,112.408 L7.2@114.821,113.538
NetL8_1: L8.1 Q9.D Q10.D Q11.D Q12.D | length 35.5
  L4 w2: Q11.D@77.978,103.378 79.277,103.378 v1(80.175,103.378) 81.713,103.378 v1(83.731,103.378) 84.074,103.378 86.667,100.785 99.007,100.785 101.6,103.378 L8.1@111.379,103.378
  other v1: 76.619,102.489 80.175,102.489 83.731,102.489
NetLED5_2: LED5.2 R40.1 | length 6.2
  L1 w0.3: LED5.2@116.083,104.013 116.083,104.488 118.11,106.515 R40.1@118.11,109.413
NetLED6_2: LED6.2 R41.1 | length 15.2
  L1 w0.3: LED6.2@111.638,104.013 111.74,103.911 111.74,102.763 112.395,102.108 116.713,102.108 120.142,105.537 R41.1@120.142,109.352
NetLED7_2: LED7.2 R42.1 | length 18.8
  L1 w0.3: LED7.2@107.32,104.013 107.32,104.488 109.385,106.553 115.189,106.553 116.967,108.331 116.967,112.996 117.983,114.012 117.983,114.442 117.81,114.615 R42.1@118.11,114.615
NetLED8_2: LED8.2 R43.1 | length 27.2
  L1 w0.3: LED8.2@103.002,104.14 102.997,104.145 102.997,105.283 103.759,106.045 107.823,106.045 108.077,106.299 108.077,106.35 108.966,107.239 115.113,107.239 116.332,108.458 116.332,113.284 117.059,114.011 117.059,115.281 117.475,115.697 119.634,115.697 119.642,115.689 119.642,114.754 119.842,114.554 R43.1@120.142,114.554
NetR54_2: R54.2 R55.2 T1.2 | length 23.5
  L1 w0.6: R54.2@107.256,110.07 R54.2@107.356,109.97 ; R55.2@107.303,108.458 107.303,109.355 107.503,109.555 R54.2@107.503,109.855 ; R54.2@107.521,110.095 107.521,111.839 v1(107.569,111.887)
  L2 w0.35: v1(107.569,111.887) 110.363,114.681 113.841,114.681 114.046,114.886 114.046,116.73 118.601,116.73 T1.2@122.809,112.522
VBUS1: C36.2 IC4.1 R48.1 | length 13.4
  L1 w0.5: C36.2@78.613,114.82 78.682,114.75 79.692,114.75 ; v1(79.756,115.443) 79.756,114.814 79.692,114.75 ; R48.1@80.772,114.681 80.703,114.75 79.692,114.75
  L2 w0.5: v1(79.756,115.443) 81.534,113.665 v1(85.725,113.665)
  L4 w0.254: v1@85.725,113.538 85.725,113.03 87.63,111.125 87.63,110.78 87.643,110.767 IC4.1@87.643,110.571
VBUS_A: C44.2 J4.1 L6.1 R65.2 | length 23.4
  L1 w0.381: v2(103.031,111.346) 103.031,113.851 J4.1@103.064,113.885
  L4 w0.8: C44.2@102.301,121.158 C44.2@102.555,121.412 ; C44.2@102.555,121.031 102.552,121.033 R65.2@100.791,121.033 ; L6.1@102.748,125.095 L6.1@102.555,125.095 99.91,125.095 99.441,124.626 99.441,121.627 99.982,121.086 100.661,121.086 R65.2@100.711,121.036 100.788,121.036 R65.2@100.791,121.033 ; v2(103.031,111.346) 103.031,116.044 100.838,118.237 100.838,120.986 R65.2@100.791,121.033
VBUS_C: C38.2 J3.A4 J3.A9 J3.B4 J3.B9 L5.1 R48.2 | length 21.9
  L1 w0.254: J3.B9@86.141,118.969 86.168,118.942 86.168,117.782 J3.A4@86.191,117.759
  L1 w0.4: J3.A9@83.691,117.759 83.741,117.809 J3.B4@83.741,118.969 83.741,119.023 83.185,119.579 83.185,120.035 83.419,120.269 86.36,120.269 86.735,119.894 86.735,119.563 J3.B9@86.141,118.969
  L2 w0.4: J3.B4@83.741,118.969 83.741,117.582 83.976,117.348 86.126,117.348 86.36,117.582 86.36,117.982 86.179,118.163 86.179,118.931 J3.B9@86.141,118.969
  L3 w0.4: J3.B4@83.741,118.969 83.741,119.023 83.541,119.223 83.541,119.918 83.893,120.269 84.89,120.269 86.141,119.018 J3.B9@86.141,118.969
  L4 w1: L5.1@81.915,121.351 82.855,120.411 82.855,119.682 J3.B4@83.616,118.922
VCC: C55.2 C56.2 C57.2 C58.2 C59.2 C60.2 C61.2 C62.2 C63.2 IC4.40 IC4.48 pad.8 pad.9 Q7.S Q9.S Q10.S R50.2 R71.1 | length 112.1
  L2 w1: v2(78.232,111.887) 78.18,111.835 76.964,111.835 76.139,111.011 76.139,107.975 79.527,104.587 85.664,104.587 v1(85.725,104.648) ; pad.8@78.994,98.425 79.136,98.425 79.771,97.79 81.026,97.79 83.312,100.076 100.412,100.076 pad.9@103.841,96.647
  L2 w2: v1(77.381,99.187) 78.143,98.425 pad.8@78.994,98.425 ; pad.8@79.136,98.425 80.302,98.425 v1(80.302,100.584)
  L3 w0.6: 85.229,105.017 85.229,107.372 85.725,107.868 v1(85.725,108.331)
  L3 w1: v2(78.232,111.887) 78.232,111.814 79.629,110.417 79.629,106.335 78.994,105.7 pad.8@78.994,98.425 89.281,98.425 90.551,99.695 100.793,99.695 pad.9@103.841,96.647 ; 85.229,105.017 85.598,104.648 v1(85.725,104.648)
  L4 w0.2: v1(85.725,104.648) 86.32,104.648 86.968,105.296 IC4.40@87.168,105.296 ; v1(85.725,108.331) 85.89,108.496 IC4.48@87.168,108.496
  L4 w0.5: 78.102,114.173 Q7.S@78.102,114.498
  L4 w0.6: R71.1@79.413,101.092 79.413,100.792 79.463,100.742 80.144,100.742 v1(80.302,100.584) ; 80.495,101.539 81.138,101.539 C63.2@81.191,101.592
  L4 w1: 78.102,113.523 Q7.S@78.102,113.848 78.102,114.173 ; v2@78.209,111.887 78.209,111.656 R50.2@78.359,111.506 ; v2(78.232,111.887) 78.102,112.017 Q7.S@78.102,113.198 78.39,113.486 ; R71.1@79.413,101.092 79.794,101.473 80.429,101.473 80.495,101.539 ; pad.9@104.013,96.647 pad.9@103.841,96.647 103.669,96.647 101.985,98.331 107.282,98.331 C57.2@107.315,98.364
pads on no net: D8.1 FID1.1 FID2.1 IC4.2 IC4.5 IC4.6 IC4.14 IC4.25 IC4.29 IC4.30 IC4.36 IC4.51 IC5.D IC5.SUB IC6.D IC6.SUB J3. J4. MH1.1 MH2.1 U2.SCL U2.SDA
copper on no net:
  other v1: 95.758,97.028 90.678,97.409 91.313,97.409 92.075,97.409

## Polygon pours and split planes (outlines as drawn)
B- on L4 "L4-B-" (solid, pour order 40): 93.599,96.774 93.599,96.012 95.25,94.361 95.25,91.821 80.264,91.821 80.137,91.694 80.137,98.425 80.772,99.06 89.408,99.06 89.662,98.806 89.662,96.647 92.969,96.647 92.964,96.774
GND on L4 "L4-GND 1" (solid, pour order 46): 119.761,119.38 117.221,119.38 116.967,119.634 115.697,119.634 113.919,117.856 112.522,117.856 112.522,120.142 112.268,120.396 107.569,120.396 105.283,122.682 105.283,124.079 104.013,124.079 103.886,123.952 103.886,117.094 105.918,115.062 108.585,115.062 109.22,115.697 109.22,117.475 110.744,117.475 110.998,117.221 110.998,111.633 112.903,111.633 114.808,113.538 114.808,115.443 115.824,116.459 120.904,116.459 120.904,126.746 110.744,126.746 110.744,125.984 111.379,125.984 111.379,125.73 112.268,124.841 120.142,124.841 120.142,119.761
B+ on L4 "L4-B+" (solid, pour order 38): 98.806,96.901 96.393,96.901 96.266,96.774 96.266,92.71 97.536,91.44 121.92,91.44 121.92,107.188 122.047,107.315 120.523,108.839 119.761,108.839 119.761,113.411 118.999,114.173 118.11,114.173 118.11,112.141 117.983,112.268 114.3,112.268 112.776,110.744 111.125,110.744 110.236,109.855 110.236,107.823 110.871,107.823 112.395,106.299 116.332,106.299 116.332,98.552 117.094,97.79 117.094,95.25 114.3,92.456 98.806,92.456
GND on L4 "L4-GND" (solid, pour order 42): 93.091,121.285 94.234,120.142 94.234,114.427 92.456,114.427 91.567,115.316 89.281,115.316 89.281,118.11 88.392,118.999 88.392,120.269 89.027,120.904 88.9,121.031 88.9,123.444 88.138,124.206 87.503,123.571 87.503,121.158 84.963,121.158 84.709,121.412 84.709,126.238 92.837,126.238 93.218,125.857 93.091,125.73
ISEN on L4 "L4-ISEN" (solid, pour order 34): 82.588,107.061 82.588,105.41 80.81,105.41 80.81,106.172 78.905,106.172 78.905,105.156 77,105.156 76.873,105.283 76.492,105.283 76.492,107.061
NetL8_1 on L4 "L4-NetL8_1" (solid, pour order 24): 84.112,104.648 76.492,104.648 76.492,102.235 84.112,102.235
NetC48_2 on L4 "L4-NetC48_2" (solid, pour order 2): 95.123,123.317 95.123,121.412 94.996,121.285 93.853,121.285 93.853,123.19 93.472,123.571 93.472,123.698 93.345,123.825 93.345,124.587 95.123,124.587
GND on L1 "L1-GND" (solid, pour order 106): 124.841,110.49 124.841,107.823 121.412,107.823 121.412,110.744 121.539,110.744 122.174,111.379 122.174,116.713 115.062,116.713 114.808,116.967 114.808,119.126 115.824,120.142 115.824,122.809 114.681,123.952 108.839,123.952 108.839,120.523 109.855,119.507 109.855,117.983 108.839,116.967 90.424,116.967 88.265,119.126 88.265,126.365 88.392,126.492 89.027,125.857 124.968,125.857
B- on L1 "L1-B- 1" (solid, pour order 104): 93.726,92.964 91.186,92.964 90.678,93.472 90.678,95.631 93.726,95.631
GND on L1 "L1-GND 1" (solid, pour order 80): 92.329,109.982 92.329,105.41 87.757,105.41 87.757,109.982
B- on L1 "L1-B-" (solid, pour order 94): 87.249,94.742 85.725,93.218 85.725,91.44 86.233,90.932 89.027,90.932 89.027,92.329 88.265,93.091 88.265,94.742
VBUS_C on L1 "L1-VBUS_C" (solid, pour order 90): 77.851,118.364 77.851,116.713 79.375,116.713 79.375,115.951 80.264,115.951 80.772,115.443 81.661,115.443 81.915,115.697 84.328,115.697 84.328,117.856 84.201,117.983 83.947,117.983 83.947,118.745 84.074,118.872 83.947,118.999 83.947,119.229 83.741,119.023 83.741,118.969
no net on L1 "L1-No Net 1" (solid, pour order 86): 87.249,119.38
VCC on L1 "L1-VCC" (solid, pour order 84): 108.331,98.806 108.331,96.901 107.061,95.631 107.061,94.234 100.711,94.234 100.584,94.107 100.33,94.361 100.33,98.806 99.06,99.822 87.503,99.822 87.503,96.139 83.693,92.329 79.248,92.329 76.581,94.996 76.581,101.092 78.994,101.092 78.994,99.822 79.883,99.822 79.883,100.965 82.423,100.965 82.423,98.552 85.725,98.552 85.725,101.219 85.979,101.473 100.838,101.473 102.108,100.203 102.108,99.187 106.807,99.187 107.188,98.806
NetL8_1 on L1 "L1-NetL8_1" (solid, pour order 18): 83.858,104.775 83.858,102.108 76.238,102.108 76.238,104.775
no net on L1 "L1-No Net" (solid, pour order 16): 79.032,103.759
no net on L2 "L2-No Net 1" (solid, pour order 100): 92.583,99.06 89.662,99.06 89.662,96.901 92.71,96.901 92.71,98.933
VBUS_A on L2 "L2-VBUS_A" (solid, pour order 98): 104.267,112.903 104.267,110.363 101.727,110.363 101.727,112.903
B- on L2 "L2-B-" (solid, pour order 96): 80.645,95.631 80.645,91.313 101.6,91.313 101.6,95.631
GND on L2 "L2-GND 1" (solid, pour order 72): 92.329,109.982 87.757,109.982 87.757,105.41 92.329,105.41
no net on L2 "L2-No Net" (solid, pour order 76): 97.917,98.933 97.917,96.647 95.377,96.647 95.377,98.933
B- on L3 "L3-B-" (solid, pour order 102): 99.568,90.932 81.534,90.932 81.407,91.059 81.407,95.504 99.568,95.504
GND on L3 "L3-GND" (solid, pour order 78): 92.329,109.982 92.329,105.41 87.757,105.41 87.757,109.982
no net on L3 "L3-No Net" (solid, pour order 74): 97.917,98.933 97.917,96.647 95.377,96.647 95.377,98.933
B+ on L3 "L3-B+" (solid, pour order 54): 120.015,114.173 118.237,114.173 118.237,103.632 116.078,101.473 116.078,97.663 121.666,97.663 122.174,98.171 122.174,110.744 119.888,113.03 120.015,113.157

## Dimensions
125.349,127 to 129.413,91.948 on L4
122.809,132.842 to 77.47,133.604 on L4

## Text inside footprints (layer, text, board x,y; h text height)
LED5: Top Overlay "-" at 113.919,103.378 h1 r180
LED6: Top Overlay "-" at 109.474,103.378 h1 r180
LED7: Top Overlay "-" at 105.156,103.378 h1 r180